# Altium PCB 铁壳显示板.PCBDOC
Units mil, origin at the board's own origin, x right, y up, seen from the top; angles counter-clockwise.
Board outline 6158.09 x 4297.44 mil, 2 copper layers (TopLayer, BottomLayer); 32 components, 135 nets, 148 pads, 348 vias.
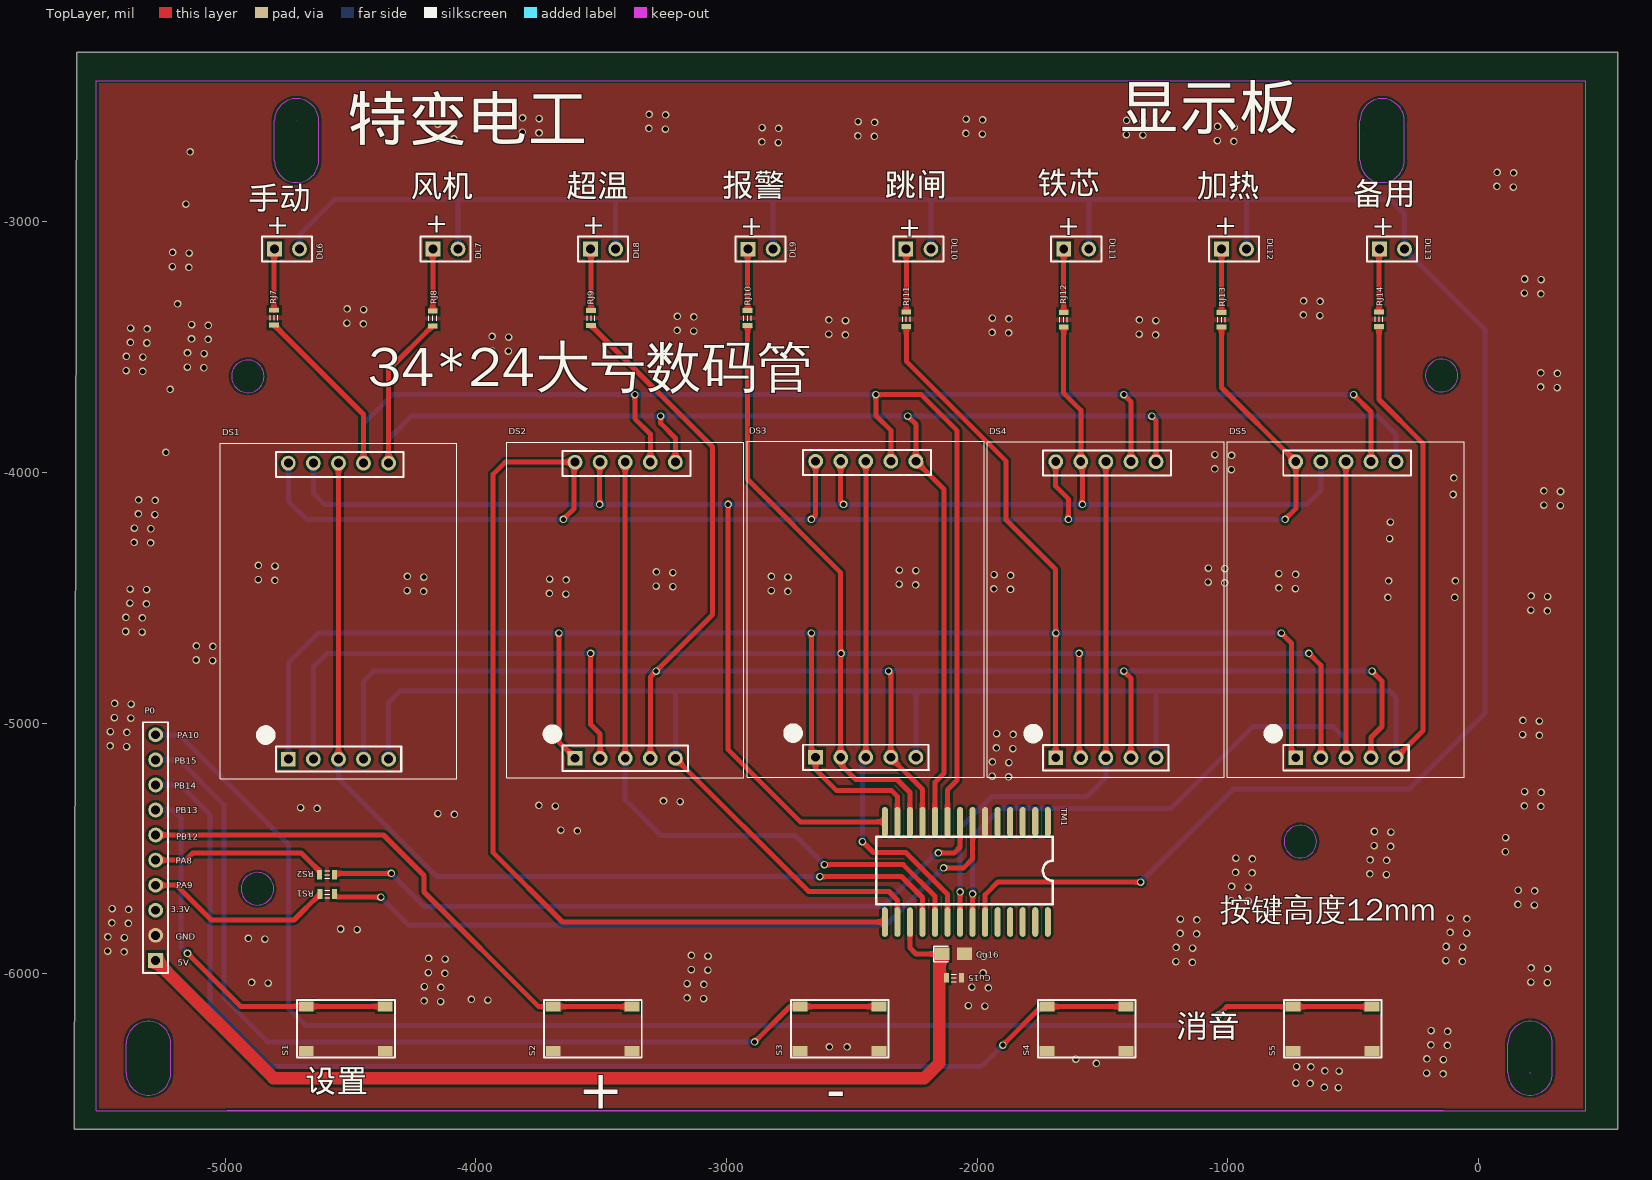
[diagram p0: TopLayer view]
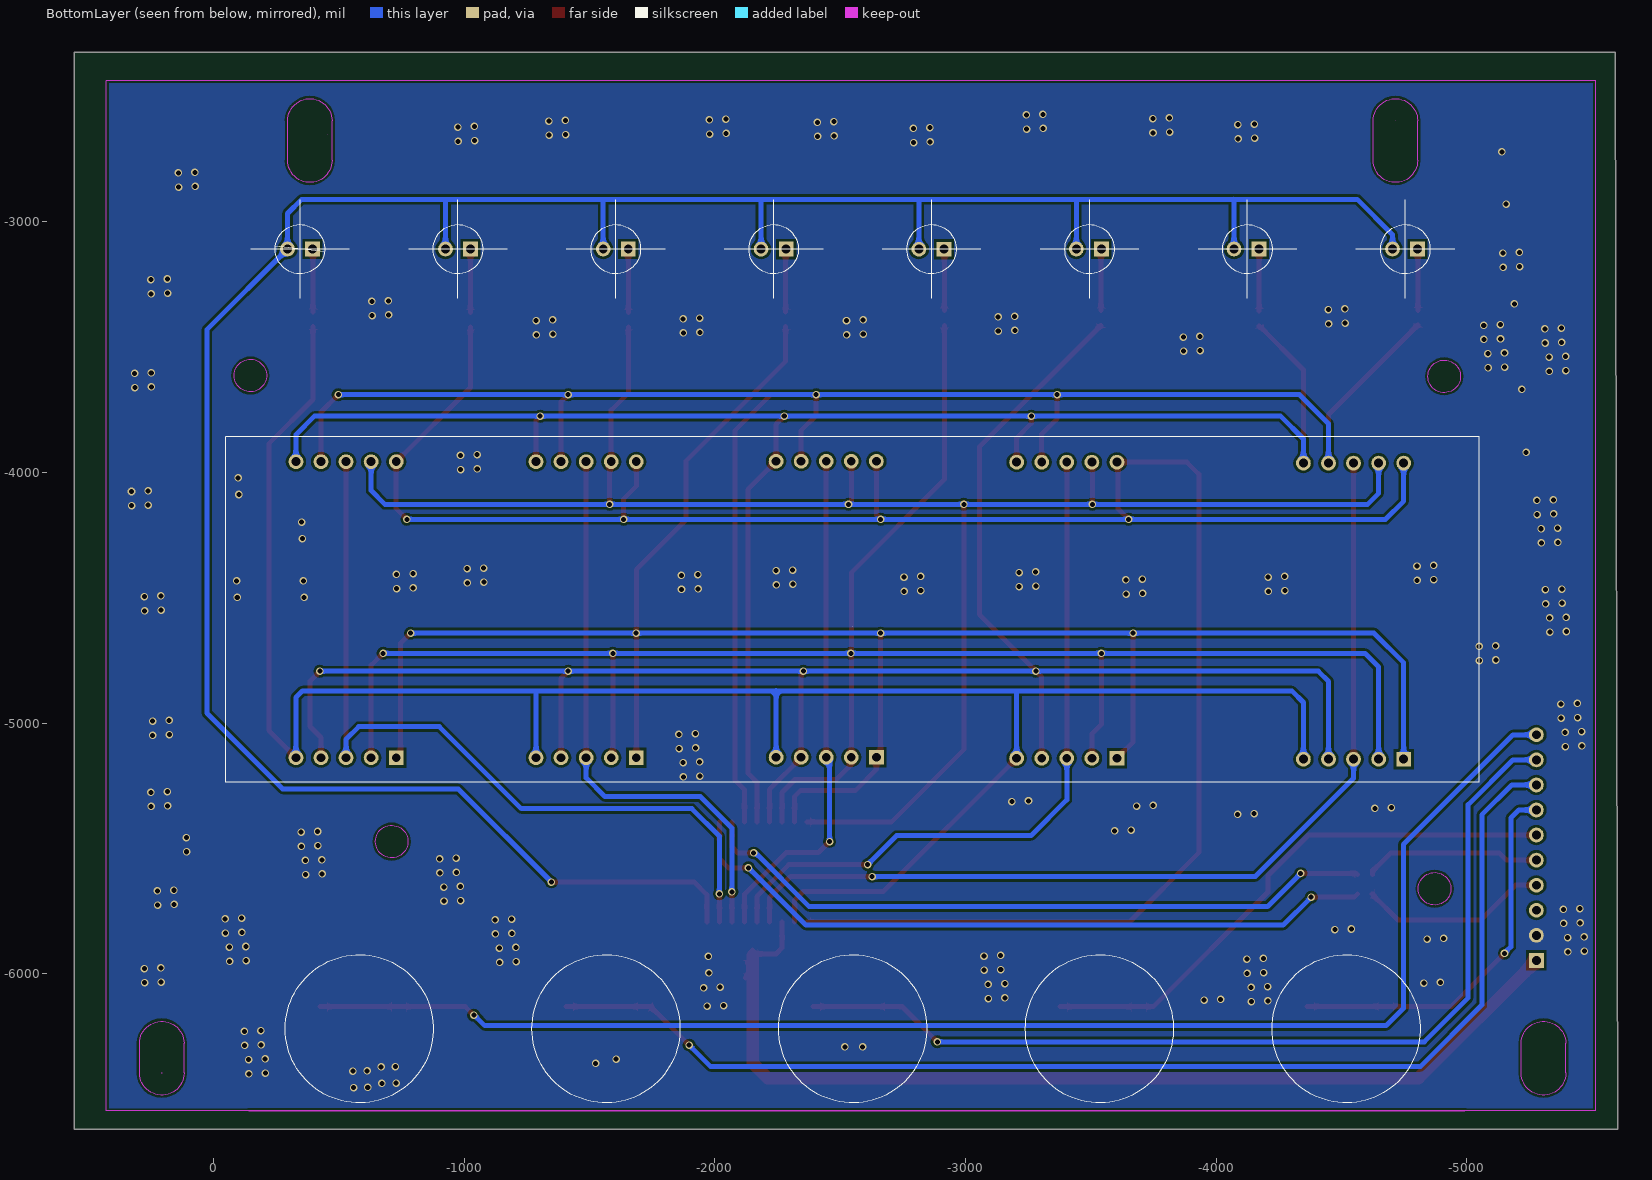
[diagram p1: BottomLayer view, seen from below]

## Layer stack, top to bottom
TopSolder: solder mask 0.4, Solder Resist, Dk 3.5
TopLayer: signal copper 1.4
Dielectric1: core 12.6, FR-4, Dk 4.8
BottomLayer: signal copper 1.4
BottomSolder: solder mask 0.4, Solder Resist, Dk 3.5

## Board outline
-5593.06,-2322.81 555.58,-2322.81 555.58,-6620.25 -5602.5,-6620.25

## Design rules (kind name [scope] priority, off if disabled: settings)
Clearance [All] p1: gap=10 ignorepadtopadclearanceinfootprint=FALSE except(0: Arc-Hole Track-Hole SMDPad-Hole THPad-Hole Via-Hole Fill-Hole Poly-Hole Region-Hole Text-Hole)
ComponentClearance [All] p1 off: gap=10 collisioncheckmode=3 verticalgap=10 showdistances=FALSE
FabricationTestPointUsage TestPointUsage [All] p1: valid=0 allowmultiple=FALSE
FabricationTestpoint Testpoint [(IsPad And (OnTopLayer Or OnBottomLayer))] p1: side=3 testpointundercomponent=TRUE minsize=40 maxsize=100 preferedsize=60 minholesize=20 maxholesize=40 preferedholesize=32 testpointgrid=1 allowsidetop=TRUE allowsidebottom=TRUE usegrid=TRUE gridtolerance=0.01
FanoutControl Fanout_LCC [All] p1 off: bgadir=Out bgaviamode=Centered fanoutstyle=Auto fanoutdirection=Alternating viagrid=1 // Protel DXP Scope 1 Expression Was: IsLCC   Fanout_LCC (Default Rule)
FanoutControl Fanout_BGA [All] p2 off: bgadir=Out bgaviamode=Centered fanoutstyle=Auto fanoutdirection=Alternating viagrid=1 // Protel DXP Scope 1 Expression Was: IsBGA   Fanout_BGA (Default Rule)
FanoutControl Fanout_SOIC [All] p3 off: bgadir=Out bgaviamode=Centered fanoutstyle=Auto fanoutdirection=Alternating viagrid=1 // Protel DXP Scope 1 Expression Was: IsSOIC   Fanout_SOIC (Default Rule)
FanoutControl Fanout_Default [All] p4: bgadir=Out bgaviamode=Centered fanoutstyle=Auto fanoutdirection=Alternating viagrid=1 // Fanout_Default (Default Rule)
FanoutControl Fanout_Small [All] p5 off: bgadir=Out bgaviamode=Centered fanoutstyle=Auto fanoutdirection=Alternating viagrid=1 // Protel DXP Scope 1 Expression Was: (CompPinCount < 5)   Fanout_Small (Default Rule)
PolygonConnect [All] p1: connectstyle=Direct reliefconductorwidth=10 reliefentries=4 polygonreliefangle="90 Angle" airgapwidth=10
RoutingVias [All] p1: holewidth=28 width=50 viastyle="Through Hole" minholewidth=28 minwidth=50 maxholewidth=28 maxwidth=50
SolderMaskExpansion [All] p1: expansion=4
Width [All] p1: maxlimit=1111 minlimit=1 preferedwidth=20 minimp=50.000000 maximp=50.000000 favimp=50.000000
22 further rules are at their usual default settings.

## Components (designator, comment, footprint, x,y, rotation, side; value= is the part's Value field where it differs from the comment)
Cu15 "104" 0603-1 -2092.94,-6015.39 r180 top
Cu16 "106" 0805 -2140.87,-5920.36 r0 top
DL6 "RED" HDR1X2 -4803.4,-3108.15 r0 top
DL7 "RED" HDR1X2 -4171.32,-3108.18 r0 top
DL8 "RED" HDR1X2 -3542.27,-3108.17 r0 top
DL9 "RED" HDR1X2 -2914.19,-3108.76 r0 top
DL10 "RED" HDR1X2 -2284.74,-3108.4 r0 top
DL11 "RED" HDR1X2 -1654.89,-3108.18 r0 top
DL12 "RED" HDR1X2 -1025.63,-3108.33 r0 top
DL13 "RED" HDR1X2 -395.3,-3108.29 r0 top
DS1 "数码管1英寸10016A共阴" 1英寸1位数码管 -4748.18,-5143.29 r0 top
DS2 "数码管1英寸10016A共阴" 1英寸1位数码管 -3604.23,-5139.48 r0 top
DS3 "数码管1英寸10016A共阴" 1英寸1位数码管 -2644.59,-5135.69 r0 top
DS4 "数码管1英寸10016A共阴" 1英寸1位数码管 -1686.86,-5137.59 r0 top
DS5 "数码管1英寸10016A共阴" 1英寸1位数码管 -729.12,-5137.58 r0 top
P0 "Header 10" HDR1X10 -5277.61,-5945.98 r90 top
RJ7 "1K" 0603-1 -4804.94,-3381.93 r90 top
RJ8 "1K" 0603-1 -4171.99,-3385.2 r90 top
RJ9 "1K" 0603-1 -3540.67,-3383.56 r90 top
RJ10 "1K" 0603-1 -2915.87,-3383.56 r90 top
RJ11 "1K" 0603-1 -2282.92,-3388.46 r90 top
RJ12 "1K" 0603-1 -1654.86,-3390.09 r90 top
RJ13 "1K" 0603-1 -1025.17,-3390.09 r90 top
RJ14 "1K" 0603-1 -397.11,-3388.46 r90 top
RS1 "1K" 0603-1 -4593.02,-5681.58 r180 top
RS2 "1K" 0603-1 -4593.66,-5604.14 r180 top
S1 "SW-PB" "SW_2 - SMT" -4519.31,-6218.2 r180 top
S2 "SW-PB" "SW_2 - SMT" -3534.07,-6219.08 r180 top
S3 "SW-PB" "SW_2 - SMT" -2549.49,-6218.78 r180 top
S4 "SW-PB" "SW_2 - SMT" -1564.2,-6218.72 r180 top
S5 "SW-PB" "SW_2 - SMT" -582.37,-6219.07 r180 top
TM1 "TM1640" TM1640 -1718.49,-5392.91 r270 top

## Footprints (in the part's own frame and the unit in brackets; to place one, negate y for a bottom-side part, rotate by r counter-clockwise, add the part's x,y. Pads: shape width x height; smd on the part's side, far side on the other; paste and mask are expansions set on the pad)
1英寸1位数码管 [mm]
  rect 1.5x1.5 hole 0.9: 1(0,0)
  round 1.5 hole 0.9: 2(2.54,0) 3(5.08,0) 4(7.62,0) 5(10.16,0) 6(10.16,30) 7(7.62,30) 8(5.08,30) 9(2.54,30) 10(0,30)
  silkscreen extent -6.92,-2 17.08,32
0603-1 [mm] "1.6mm*0.8mm*0.8mm"
  rect 0.5x1 smd: 1(-0.75,0) 2(0.75,0)
  silkscreen extent -0.25,-0.38 0.25,0.38
0805 [mil]
  rect 60x50 smd: 1(0,0) 2(90,0)
  silkscreen extent -33,-31 25,30
HDR1X2 [mm]
  rect 1.5x1.5 hole 0.9: 1(0,0)
  round 1.5 hole 0.9: 2(2.54,0)
  silkscreen extent -1.27,-1.27 3.81,1.27
HDR1X10 [mm]
  rect 1.5x1.5 hole 0.9: 1(0,0)
  round 1.5 hole 0.9: 2(2.54,0) 3(5.08,0) 4(7.62,0) 5(10.16,0) 6(12.7,0) 7(15.24,0) 8(17.78,0) 9(20.32,0) 10(22.86,0)
  silkscreen extent -1.27,-1.27 24.13,1.27
"SW_2 - SMT" [mm]
  rect 1.5x1 smd: 1(-4,2.25) 1(4,2.25) 2(-4,-2.25) 2(4,-2.25)
  silkscreen extent -4.97,-2.92 4.93,2.92
TM1640 [mil]
  oval 118.11x24 smd: 1(0,0) 2(0,-50) 3(0,-100) 4(0,-150) 5(0,-200) 6(0,-250) 7(0,-300) 8(0,-350) 9(0,-400) 10(0,-450) 11(0,-500) 12(0,-550) 13(0,-600) 14(0,-650) 15(400,-650) 16(400,-600) 17(400,-550) 18(400,-500) 19(400,-450) 20(400,-400) 21(400,-350) 22(400,-300) 23(400,-250) 24(400,-200) 25(400,-150) 26(400,-100) 27(400,-50) 28(400,0)
  silkscreen extent 60,-685 330,20

## Part data
Cu15 Cu16: library part Cap, "Capacitor"
DL6 DL7 DL8 DL9 DL10 DL11 DL12 DL13: library part LED1, "Typical RED GaAs LED"
DS1 DS2 DS3 DS4 DS5: library part 数码管1英寸
P0: "Header, 10-Pin"
RJ7 RJ8 RJ9 RJ10 RJ11 RJ12 RJ13 RJ14: library part RES2
RS1 RS2: library part Res2, "Resistor"
S1 S2 S3 S4 S5: "Switch"

## Via types
v1: diameter 30, hole 20, TopLayer to BottomLayer, 348 vias

## Nets (pads, with @x,y where several pads share a name; then routed paths per layer and width w, separated by ;. In a path a pad name is that pad's centre, name@x,y a point inside that pad or via, vN(x,y) a via of type N, cw(c..) or ccw(c..) an arc to the next point about the centre after c; other vN are vias at no path point)
220VLIN: 
220VLOUT1: 
220VLOUT2: 
485-RE: 
+5V: 
+12out: 
A1: 
ADC_IN0: 
ADC_IN4: 
ADC_IN5: 
ADC_IN6: 
ADC_IN7: 
ADC_IN8: 
B1: 
BJIN1: 
BJOUT1: 
BOOT0: 
DS_A: DS1.7 DS2.7 DS3.7 DS4.7 DS5.7 RJ7.1 TM1.9 | length 7973.9
  TopLayer w20: RJ7.1 -4448.18,-3768.23 DS1.7 ; v1(-3365.58,-3689.06) -3365.58,-3784.76 -3304.23,-3846.11 DS2.7 ; DS3.7 -2344.59,-3831.46 -2404.19,-3771.86 v1(-2404.19,-3689.06) -2223.84,-3689.06 -2079.68,-3833.22 -2079.68,-5226.5 -2118.49,-5265.3 TM1.9 ; v1(-1415.22,-3689.06) -1386.86,-3717.43 DS4.7 ; v1(-498.44,-3689.06) -429.12,-3758.39 DS5.7
  BottomLayer w20: DS1.7 -4448.18,-3804.68 -4332.57,-3689.06 v1(-498.44,-3689.06)
DS_B: DS1.6 DS2.6 DS3.6 DS4.6 DS5.6 RJ8.1 TM1.10 | length 6999.8
  TopLayer w20: DS1.6 -4348.18,-3590.91 RJ8.1 ; v1(-3262.56,-3775.16) -3262.56,-3803.34 -3204.23,-3861.67 DS2.6 ; v1(-2277.13,-3775.16) -2244.59,-3807.7 DS3.6 -2132.39,-4066.79 -2132.39,-5199.1 -2168.49,-5235.2 TM1.10 ; v1(-1303.23,-3775.16) -1286.86,-3791.53 DS4.6
  BottomLayer w20: DS1.6 -4348.18,-3865.82 -4257.52,-3775.16 -402.74,-3775.16 -329.12,-3848.78 DS5.6
DS_C: DS1.4 DS2.4 DS3.4 DS4.4 DS5.4 RJ9.1 TM1.11 | length 7763.9
  TopLayer w20: RJ9.1 -3055.5,-3898.26 -3055.5,-4566.34 -3304.23,-4815.07 DS2.4@-3304.23,-5129.56 ; v1(-2353.03,-4792.43) -2344.59,-4800.88 -2344.59,-5137.53 -2218.49,-5263.64 TM1.11 ; v1(-1415.21,-4792.43) -1386.86,-4820.78 DS4.4 ; DS5.4 -429.12,-5056.48 -385.3,-5012.67 -385.3,-4831.88 v1(-424.75,-4792.43)
  BottomLayer w20: DS1.4 -4448.18,-4832.65 -4407.96,-4792.43 v1(-424.75,-4792.43)
  other v1: -3281.02,-4792.43
DS_D: DS1.2 DS2.2 DS3.2 DS4.2 DS5.2 RJ10.1 TM1.12 | length 7996.5
  TopLayer w20: v1(-3542.16,-4720.95) -3542.16,-5004.69 -3504.23,-5042.61 DS2.2 ; RJ10.1 -2915.87,-4027.8 -2544.59,-4399.08 -2544.59,-5164.8 -2484.74,-5224.64 -2319.7,-5224.64 -2268.49,-5275.86 TM1.12 ; v1(-1593.51,-4720.95) -1593.51,-5130.94 DS4.2 ; v1(-676.74,-4720.95) -629.12,-4768.57 DS5.2
  BottomLayer w20: DS1.2 -4648.18,-4775.43 -4593.7,-4720.95 v1(-676.74,-4720.95)
  other v1: -2542.56,-4720.95
DS_DP: DS1.5 DS2.5 DS3.5 DS4.5 DS5.5 RJ14.1 TM1.16 | length 8362.9
  TopLayer w20: DS2.5 -2672.28,-5671.43 -2352.01,-5671.43 -2318.49,-5704.96 TM1.16 ; RJ14.1 -397.11,-3708.64 -220.76,-3885 -220.76,-5029.22 DS5.5
  BottomLayer w20: DS1.5 -4348.18,-4916.9 -4301.68,-4870.4 -355.37,-4870.4 -329.12,-4896.66 DS5.5 ; DS2.5 -3204.23,-4872.49 ; DS3.5 -2244.59,-4868.7 ; DS4.5 -1286.86,-4870.6
DS_E: DS1.1 DS2.1 DS3.1 DS4.1 DS5.1 RJ11.1 TM1.13 | length 8432
  TopLayer w20: v1(-3668.51,-4640.34) -3668.51,-5075.2 DS2.1 ; v1(-2661.89,-4640.34) -2661.89,-5118.38 DS3.1 -2644.59,-5184.7 -2561.97,-5267.33 -2342.81,-5267.33 -2318.49,-5291.65 TM1.13 ; RJ11.1 -2282.92,-3556.14 -1885.98,-3953.08 -1885.98,-4187.38 -1686.86,-4386.5 DS4.1 ; v1(-786.24,-4640.34) -746.81,-4679.77 -746.81,-5119.89 DS5.1
  BottomLayer w20: DS1.1 -4748.18,-4758.51 -4630.01,-4640.34 v1(-786.24,-4640.34)
  other v1: -1686.16,-4640.34
DS_F: DS1.9 DS2.9 DS3.9 DS4.9 DS5.9 RJ12.1 TM1.14 | length 7109.5
  TopLayer w20: v1(-3505.85,-4126.55) -3505.85,-3960 DS2.9 ; v1@-2993.48,-4118.67 -2993.48,-5105.24 -2705.8,-5392.91 TM1.14 ; DS3.9 -2544.59,-4115.36 v1(-2533.41,-4126.55) ; RJ12.1 -1654.86,-3682.89 -1586.86,-3750.89 DS4.9 -1580.92,-3962.42 v1(-1580.92,-4126.55)
  BottomLayer w20: DS1.9 -4648.18,-4082.83 -4604.47,-4126.55 -683.88,-4126.55 -629.12,-4071.79 DS5.9
  other v1: -2993.48,-4126.72
DS_G: DS1.10 DS2.10 DS3.10 DS4.10 DS5.10 RJ13.1 TM1.15 | length 9336.4
  TopLayer w20: v1(-3650.88,-4186.48) -3608.63,-4144.23 -3608.63,-3962.77 DS2.10 -3883.07,-3958.38 -3931.14,-4006.45 -3931.14,-5515.98 -3654.2,-5792.91 TM1.15 ; v1(-2661.65,-4186.48) -2644.59,-4169.42 DS3.10 ; DS4.10 -1686.86,-4054.4 -1636.59,-4104.66 v1(-1636.59,-4186.48) ; RJ13.1 -1025.17,-3660.42 DS5.10 -729.12,-4143.67 v1(-771.93,-4186.48)
  BottomLayer w20: DS1.10 -4748.18,-4114.26 -4675.97,-4186.48 v1(-771.93,-4186.48)
DSLED1: TM1.5
DSLED2: TM1.4
DSLED3: TM1.3
DSLED4: TM1.2
DSLED5: TM1.1
DSLED6: TM1.28
GND: Cu15.1 Cu16.2 P0.2 S1.1 S2.1 S3.1 S4.1 S5.1 TM1.6
  other v1: -559.01,-6453.37 -615.6,-6452.5 -671.87,-6436.49 -728.46,-6435.62 -141.38,-6398.22 -207.31,-6395.55 -556.34,-6387.45 -612.93,-6386.58 -669.2,-6370.57 -725.79,-6369.7 -1524.81,-6356.83 -140.51,-6341.63 -1606.58,-6339.63 -206.44,-6338.96 -2590.16,-6290.86 -2519.16,-6290.86 -124.51,-6285.36 -190.43,-6282.69 -123.64,-6228.77 -189.56,-6226.1 -1969.34,-6128.69 -2035.26,-6126.02 -4140.38,-6110.14 -4206.3,-6107.47 -3951.93,-6104.19 -4017.85,-6101.52 -3091.76,-6098.09 -3157.68,-6095.42 -1955.73,-6055.21 -4139.51,-6053.56 -2021.65,-6052.54 -4205.43,-6050.89 -3090.89,-6041.5 -3156.81,-6038.83 -4828.55,-6036.29 274.41,-6035.06 -4894.47,-6033.61 208.49,-6032.39 -4123.51,-5997.28 -1976.7,-5995.99 -4189.43,-5994.61 -3074.88,-5985.23 -3140.81,-5982.56 275.28,-5978.48 209.36,-5975.8 -1141.56,-5953.45 -1207.49,-5950.78 -64.51,-5949.81 -130.43,-5947.14 -4122.64,-5940.7 -4188.56,-5938.02 -1974.03,-5930.07 -3074.01,-5928.64 -3139.94,-5925.97 -5402.91,-5911.6 -5468.83,-5908.92 -1140.69,-5896.87 -1206.62,-5894.2 -63.64,-5893.22 -129.56,-5890.55 -4841.7,-5860.97 -4907.62,-5858.3 -5402.04,-5855.01 -5467.96,-5852.34 -1124.69,-5840.59 -1190.61,-5837.92 -47.64,-5836.95 -113.56,-5834.28 -4473.62,-5823.42 -4539.55,-5820.75 -5386.04,-5798.73 -5451.96,-5796.06 -1123.82,-5784.01 -1189.74,-5781.34 -46.77,-5780.36 -112.69,-5777.69 -5385.17,-5742.15 -5451.09,-5739.48 222.81,-5725.41 156.88,-5722.74 -919.79,-5709.98 -985.71,-5707.31 223.67,-5668.83 157.75,-5666.16 -918.92,-5653.39 -984.84,-5650.72 -367.72,-5603.89 -433.65,-5601.22 -902.91,-5597.12 -968.83,-5594.45 -366.85,-5547.31 -432.78,-5544.64 -902.04,-5540.53 -967.96,-5537.86 106.69,-5512.53 -350.85,-5491.03 -416.77,-5488.36 107.56,-5455.94 -349.98,-5434.45 -415.9,-5431.77 -3594.75,-5429.25 -3660.67,-5426.58 -4085.64,-5363.5 -4151.56,-5360.83 -4633.51,-5339.4 -4699.43,-5336.72 248.61,-5331.9 -3682.41,-5330.63 182.69,-5329.23 -3748.33,-5327.96 -3185.54,-5312.5 -3251.46,-5309.83 249.48,-5275.32 183.56,-5272.64 -1874.48,-5213.66 -1940.41,-5210.99 -1873.61,-5157.08 -1939.54,-5154.4 -1857.61,-5100.8 -1923.53,-5098.13 -5392.95,-5092.78 -5458.87,-5090.11 242.16,-5048.06 176.24,-5045.39 -1856.74,-5044.21 -1922.66,-5041.54 -5392.08,-5036.19 -5458,-5033.52 243.03,-4991.47 177.11,-4988.8 -5376.07,-4979.92 -5442,-4977.25 -5375.2,-4923.33 -5441.13,-4920.66 -5049.83,-4750.27 -5115.76,-4747.6 -5048.96,-4693.69 -5114.89,-4691.01 -5331.19,-4636.55 -5397.11,-4633.88 -5330.32,-4579.97 -5396.24,-4577.3 274.41,-4551.33 208.49,-4548.66 -5314.31,-4523.69 -5380.24,-4521.02 -361.33,-4498.08 -95.02,-4498.08 275.28,-4494.74 209.36,-4492.07 -3640.6,-4484.45 -3706.52,-4481.78 -4208.66,-4473.52 -2755.74,-4473.52 -4274.59,-4470.85 -2821.66,-4470.85 -5313.44,-4467.11 -1867.23,-4466.24 -5379.37,-4464.44 -1933.15,-4463.57 -731.1,-4462.6 -797.03,-4459.93 -3214.56,-4455.32 -3280.48,-4452.65 -2245.94,-4448.03 -2311.86,-4445.36 -1013.22,-4439.99 -1079.14,-4437.32 -358.65,-4432.16 -92.35,-4432.16 -4802.22,-4429.83 -3639.73,-4427.86 -4868.14,-4427.15 -3705.65,-4425.19 -4207.8,-4416.94 -2754.87,-4416.94 -4273.72,-4414.27 -2820.79,-4414.27 -1866.36,-4409.65 -1932.28,-4406.98 -730.23,-4406.01 -796.16,-4403.34 -3213.69,-4398.73 -3279.61,-4396.06 -2245.07,-4391.45 -2310.99,-4388.78 -1012.34,-4383.4 -1078.27,-4380.73 -4801.35,-4373.24 -4867.27,-4370.57 -5297.12,-4280.58 -5363.05,-4277.91 -354.91,-4263.86 -5296.25,-4224 -5362.18,-4221.32 -352.24,-4197.94 -5280.25,-4167.72 -5346.17,-4165.05 326.02,-4132.01 260.1,-4129.34 -5279.38,-4111.13 -5345.3,-4108.46 -101.43,-4087.39 326.89,-4075.43 260.97,-4072.76 -98.76,-4021.47 -986.49,-3987.78 -1052.42,-3985.11 -985.62,-3931.2 -1051.55,-3928.53 -5236.79,-3918.95 -5219.38,-3667.74 313.12,-3661.09 247.2,-3658.42 313.99,-3604.5 248.07,-3601.83 -5328.89,-3595.88 -5394.81,-3593.21 -5085.36,-3581.76 -5151.28,-3579.09 -5328.02,-3539.29 -5393.94,-3536.62 -5084.49,-3525.18 -5150.41,-3522.5 -3870.01,-3515.83 -3935.93,-3513.16 -5312.01,-3483.02 -5377.93,-3480.35 -5068.48,-3468.9 -5134.41,-3466.23 -3869.14,-3459.24 -3935.06,-3456.57 -2526.33,-3450.28 -1288.24,-3450.28 -2592.25,-3447.61 -1354.16,-3447.61 -1874.51,-3443 -1940.43,-3440.33 -3130.8,-3435.72 -3196.72,-3433.05 -5311.14,-3426.43 -5377.06,-3423.76 -5067.61,-3412.31 -5133.54,-3409.64 -4449,-3406.58 -4514.92,-3403.91 -2525.46,-3393.7 -1287.37,-3393.7 -2591.38,-3391.03 -1353.29,-3391.03 -1873.64,-3386.41 -1939.56,-3383.74 -3129.93,-3379.13 -3195.85,-3376.46 -632.78,-3373.81 -698.71,-3371.14 -4448.13,-3350 -4514.05,-3347.33 -5189.53,-3327.01 -631.92,-3317.23 -697.84,-3314.56 248.61,-3286.93 182.69,-3284.26 249.48,-3230.35 183.56,-3227.68 -5144.81,-3181.09 -5210.73,-3178.42 -5143.94,-3124.5 -5209.86,-3121.83 -5157.2,-2929.06 138.94,-2861.16 73.02,-2858.49 139.81,-2804.58 73.89,-2801.91 -5139.79,-2720.14 -2793.38,-2683.24 -2859.3,-2680.57 -975.85,-2678.4 -1041.77,-2675.72 -4087.46,-2668.7 -4153.38,-2666.03 -2410.49,-2659.01 -2476.41,-2656.34 -1339.36,-2654.16 -1405.28,-2651.49 -1979.13,-2649.31 -2045.05,-2646.64 -3748.18,-2644.47 -3814.11,-2641.8 -3244.12,-2629.93 -3310.05,-2627.26 -2792.51,-2626.66 -2858.43,-2623.99 -974.98,-2621.81 -1040.9,-2619.14 -4086.59,-2612.12 -4152.51,-2609.45 -2409.62,-2602.42 -2475.54,-2599.75 -1338.49,-2597.58 -1404.41,-2594.9 -1978.26,-2592.73 -2044.18,-2590.06 -3747.31,-2587.88 -3813.24,-2585.21 -3243.25,-2573.34 -3309.18,-2570.67
GOIN: 
GOOUT: 
KMIN1: 
KMIN2: 
KMOUT1: 
KMOUT2: 
L: 
LIN: 
N: 
NetC1_2: 
NetC2_2: 
NetC3_2: 
NetCU7_1: 
NetCU8_1: 
NetCY1_2: 
NetCY2_2: 
NetCY3_2: 
NetDE1_1: 
NetDE1_2: 
NetDJ1_1: 
NetDJ2_1: 
NetDJ3_1: 
NetDJ4_1: 
NetDL1_1: 
NetDL2_1: 
NetDL3_1: 
NetDL4_1: 
NetDL5_1: 
NetDL5_2: 
NetDL6_1: DL6.1 RJ7.2 | length 245.8
  TopLayer w20: RJ7.2 DL6.1@-4804.94,-3108.13 ; DL6.1@-4804.92,-3108.15 DL6.1
NetDL7_1: DL7.1 RJ8.2 | length 247.8
  TopLayer w20: RJ8.2 -4171.99,-3108.85 DL7.1
NetDL8_1: DL8.1 RJ9.2 | length 246.5
  TopLayer w20: DL8.1 -3540.67,-3109.77 RJ9.2
NetDL9_1: DL9.1 RJ10.2 | length 246
  TopLayer w20: RJ10.2 -2915.87,-3110.45 DL9.1
NetDL10_1: DL10.1 RJ11.2 | length 251.3
  TopLayer w20: DL10.1 -2282.92,-3110.21 RJ11.2
NetDL11_1: DL11.1 RJ12.2 | length 252.4
  TopLayer w20: RJ12.2 DL11.1
NetDL12_1: DL12.1 RJ13.2 | length 265.1
  TopLayer w20: RJ13.2 -1025.17,-3104.16 DL12.1@-1019.05,-3098.04
NetDL13_1: DL13.1 RJ14.2 | length 251.4
  TopLayer w20: RJ14.2 -397.11,-3110.1 DL13.1
NetLS1_1: 
NetQK1_2: 
NetQK2_2: 
NetQK3_2: 
NetQK4_2: 
NetQK5_2: 
NetRA1_1: 
NetRA1_2: 
NetRA2_1: 
NetRA2_2: 
NetRA3_1: 
NetRA3_2: 
NetRE1_2: 
NetRE2_2: 
NetRE3_2: 
NetRN1_1: 
NetRN2_1: 
NetRN3_1: 
NetRS1_1: RS1.1 TM1.7 | length 2854.1
  TopLayer w20: RS1.1 -4551.6,-5693.47 v1(-4379.35,-5693.47) ; v1(-2134.45,-5576.63) -2054.19,-5576.63 -2018.49,-5540.93 TM1.7
  BottomLayer w20: v1(-4379.35,-5693.47) -4267.12,-5805.7 -2363.52,-5805.7 v1(-2134.45,-5576.63)
NetRS2_1: RS2.1 TM1.8 | length 2751.9
  TopLayer w20: RS2.1 -4559,-5599.01 v1(-4337.48,-5599.01) ; v1(-2154.73,-5517.49) -2092.21,-5517.49 -2068.49,-5493.76 TM1.8
  BottomLayer w20: v1(-4337.48,-5599.01) -4205.09,-5731.4 -2376.8,-5731.4 -2162.89,-5517.49 v1(-2154.73,-5517.49)
NRST: 
PA8: P0.5 RS2.2 | length 709.4
  TopLayer w20: P0.5 -5158.07,-5545.98 -5129.85,-5517.77 -4696.7,-5517.77 -4623.19,-5591.28 RS2.2
PA9: P0.4 RS1.2 | length 755
  TopLayer w20: P0.4 -5193.97,-5645.98 -5055.48,-5784.48 -4725.45,-5784.48 RS1.2
PA10: P0.10 S5.2 | length 5747.7
  TopLayer w20: v1(-1038.58,-6164.44) -1004.64,-6130.49 -739.85,-6130.49 S5.2@-424.89,-6130.49
  BottomLayer w20: P0.10 -5184.28,-5045.98 -4747.19,-5483.07 -4747.19,-6136.91 -4677.8,-6206.3 -1082.74,-6206.3 -1040.88,-6164.44 v1(-1038.58,-6164.44)
PA11: 
PA12: 
PA13: 
PA14: 
PA15: 
PB1: 
PB2: 
PB3: 
PB4: 
PB5: 
PB8: 
PB9: 
PB12: P0.6 S2.2 | length 2222.8
  TopLayer w20: P0.6 -4368.58,-5445.98 -4206.99,-5607.58 -4206.99,-5672.89 -3749.39,-6130.49 -3691.55,-6130.49 S2.2@-3376.59,-6130.49
PB13: P0.7 S1.2 | length 1540.2
  TopLayer w20: v1(-5150.36,-5917.71) -4938.46,-6129.62 -4676.79,-6129.62 S1.2@-4361.83,-6129.62
  BottomLayer w20: P0.7 -5207.46,-5345.98 -5175.83,-5377.61 -5175.83,-5891.97 v1@-5151.34,-5916.46
PB14: P0.8 S4.2 | length 4880.1
  TopLayer w20: v1(-1897.83,-6283.86) -1744.1,-6130.14 -1721.68,-6130.14 S4.2@-1406.72,-6130.14
  BottomLayer w20: P0.8 -5179.55,-5245.98 -5060.17,-5365.37 -5060.17,-6124.1 -4814.48,-6369.79 -1983.75,-6369.79 v1(-1897.83,-6283.86)
PB15: P0.9 S3.2 | length 3861.2
  TopLayer w20: v1(-2887.62,-6270.66) -2747.16,-6130.2 -2706.97,-6130.2 S3.2@-2392.01,-6130.2
  BottomLayer w20: P0.9 -5184.3,-5145.98 -5005.61,-5324.68 -5005.61,-6095.54 -4830.48,-6270.66 v1(-2887.62,-6270.66)
PC13: 
PC14: 
PC15: 
PF6: 
PF7: 
PT100-2: 
PT100-3: 
PT100-4: 
TZIN1: 
TZIN2: 
TZOUT1: 
TZOUT2: 
USART1_RX: 
USART1_TX: 
USART2_RX: 
USART2_TX: 
USART3_RX: 
USART3_TX: 
VCC3.3: P0.3
VCC5V: Cu15.2 Cu16.1 P0.1 TM1.17 | length 4077.7
  TopLayer w20: TM1.17 -2268.49,-5895.76 -2243.88,-5920.36 Cu16.1 ; -2151.12,-5986.74 Cu15.2 ; Cu16.1@-2151.12,-5925.99 Cu16.1@-2151.12,-5905.48
  TopLayer w50: P0.1 -4807.74,-6415.85 -2210.79,-6415.85 -2151.12,-6356.18 Cu16.1@-2151.12,-5925.99
串1: DS1.3 DS1.8 TM1.18 | length 3881.7
  TopLayer w20: DS1.3 DS1.8 ; v1(-2627.27,-5611.58) -2302.16,-5611.58 -2218.49,-5695.25 TM1.18
  BottomLayer w20: DS1.3 -4548.18,-5219.45 -4156.06,-5611.58 v1(-2627.27,-5611.58)
串2: DS2.3 DS2.8 TM1.19 | length 2844.7
  TopLayer w20: DS2.3 DS2.8 ; v1(-2609.41,-5563.94) -2294.93,-5563.94 -2168.49,-5690.39 TM1.19
  BottomLayer w20: DS2.3 -3404.23,-5305.32 -3261.37,-5448.18 -2725.17,-5448.18 v1(-2609.41,-5563.94)
串3: DS3.3 DS3.8 TM1.20 | length 2065.6
  TopLayer w20: v1(-2457.85,-5471.93) -2414.01,-5515.77 -2284.79,-5515.77 -2118.49,-5682.08 TM1.20 ; DS3.3 DS3.8
  BottomLayer w20: v1(-2457.85,-5471.93) -2457.85,-5139.6 -2453.94,-5135.69 DS3.3
串4: DS4.3 DS4.8 TM1.21 | length 2300.4
  TopLayer w20: TM1.21 v1(-2068.49,-5672.79) ; DS4.3 DS4.8
  BottomLayer w20: v1(-2068.49,-5672.79) -2068.49,-5418.4 -1942.18,-5292.09 -1561.4,-5292.09 -1486.86,-5217.55 DS4.3
串5: DS5.3 DS5.8 TM1.22 | length 3288.3
  TopLayer w20: TM1.22 v1(-2018.49,-5680.4) ; DS5.3 DS5.8
  BottomLayer w20: v1(-2018.49,-5680.4) -2018.49,-5450.67 -1908.42,-5340.61 -1228.08,-5340.61 -901.1,-5013.62 -579.38,-5013.62 -529.12,-5063.89 DS5.3
串6: DL6.2 DL7.2 DL8.2 DL9.2 DL10.2 DL11.2 DL12.2 DL13.2 TM1.23 | length 10254.9
  TopLayer w20: TM1.23 -1968.49,-5683.95 -1918.04,-5633.5 v1@-1345.72,-5633.5
  BottomLayer w20: DL6.2 -4703.85,-3107.71 -4703.85,-3050.75 -4562.71,-2909.62 -352.09,-2909.62 -295.3,-2966.42 DL13.2 26.42,-3430.01 26.42,-4959.31 -276.29,-5262.03 -977.03,-5262.03 v1(-1348.5,-5633.5) ; DL7.2 -4071.32,-2913.45 -4067.48,-2909.62 ; DL8.2 -3442.27,-2913.44 ; DL9.2 -2814.19,-2914.03 ; DL10.2 -2184.74,-2913.67 ; DL11.2 -1554.89,-2913.45 ; DL12.2 -925.63,-2913.6
pads on no net: TM1.24 TM1.25 TM1.26 TM1.27

## Polygon pours and split planes (outlines as drawn)
GND on TopLayer "TopLayer-GND" (solid, remove dead copper, pour order 0): -5554.65,-2349.12 -5511.4,-2392.37 481.19,-2392.37 481.19,-6599.55 475.01,-6605.73 444.12,-6574.84 -5579.37,-6574.84
GND on BottomLayer "BottomLayer-GND" (solid, remove dead copper, pour order 2): 542.9,-6687.67 -5598.98,-6687.67 -5598.98,-2358.86 505.26,-2358.86

## Keep-outs
KeepOutLayer:
  circle w0.25: c205.95,-6395.17 r0.12
  circle w0.25: c-453.98,-2651.73 r0.12
  circle w0.25: c-315.22,-2541.58 r0.12
  circle w0.25: c-4715.31,-2596.65 r0.12
  circle w0.5: c-4909.63,-3616 r64.96
  circle w0.5: c-147.51,-3612.82 r64.96
  circle w0.5: c-4871.48,-5660.09 r64.96
  circle w0.5: c-711.32,-5471.9 r64.96
  region: 428975.86,426770.95 428955.46,426796.65 429042.75,426845
  lines w0.5: -5513.68,-6546.24 427.02,-6546.24 427.02,-2436.55 ; 426.9,-6546.24 cw(c427.02,-6546.24) 427.15,-6546.24 ; 426.9,-6546.24 ccw(c427.02,-6546.24) 427.15,-6546.24 ; 426.9,-6546.24 cw(c427.02,-6546.24) 427.15,-6546.24 ; 426.9,-6546.24 ccw(c427.02,-6546.24) 427.15,-6546.24 ; 426.9,-6546.24 -5513.8,-6546.24 -5513.8,-2436.55 426.9,-2436.55 426.9,-6546.24 ; -5394.45,-6395.17 ccw(c-5305.86,-6395.17) -5217.28,-6395.17 -5217.28,-6277.06 ccw(c-5305.86,-6277.06) -5394.45,-6277.06 -5394.45,-6395.17 ; -4803.89,-2754.14 ccw(c-4715.31,-2754.14) -4626.73,-2754.14 -4626.73,-2596.65 ccw(c-4715.31,-2596.65) -4803.89,-2596.65 -4803.89,-2754.14 ; -473.19,-2754.14 ccw(c-384.6,-2754.14) -296.02,-2754.14 -296.02,-2596.65 ccw(c-384.6,-2596.65) -473.19,-2596.65 -473.19,-2754.14 ; 117.37,-6395.17 ccw(c205.95,-6395.17) 294.53,-6395.17 294.53,-6277.06 ccw(c205.95,-6277.06) 117.37,-6277.06 117.37,-6395.17
  lines w5: -4992.76,-6546.24 -141.63,-6546.24

## Silkscreen, mask and mechanical layers (free items; w line width, h text height)
TopOverlay:
  text "显示板" at -1433.38,-2685.38 h300
  text "特变电工" at -4510.29,-2730.87 h300
  text "铁芯" at -1760.26,-2921.65 h157.48
  text "跳闸" at -2368.29,-2927.2 h157.48
  text "报警" at -3016.51,-2929.12 h157.48
  text "超温" at -3639.68,-2931.06 h157.48
  text "加热" at -1123.59,-2932.13 h157.48
  text "风机" at -4258.98,-2932.99 h157.48
  text "备用" at -502.68,-2964.13 h157.48
  text "手动" at -4908.15,-2981.41 h157.48
  text "+" at -4201.93,-3043.42 h80
  text "+" at -4837.08,-3049.31 h80
  text "+" at -3576.21,-3049.31 h80
  text "+" at -1054.46,-3051.66 h80
  text "+" at -1681.37,-3052.85 h80
  text "+" at -2944.59,-3054.03 h80
  text "+" at -425.21,-3054.03 h80
  text "+" at -2315.35,-3059.91 h80
  text "34*24大号数码管" at -4432.29,-3709.16 h275.59
  text "PA10" at -5191.01,-5059.91 h25
  text "PB15" at -5200.45,-5161.62 h25
  text "PB14" at -5202.41,-5261.17 h25
  text "PB13" at -5197.24,-5359.32 h25
  text "PB12" at -5194.62,-5463.93 h25
  text "PA8" at -5196.37,-5560.69 h25
  text "PA9" at -5195.5,-5657.45 h25
  text "3.3V" at -5217.62,-5754.79 h25
  text "按键高度12mm" at -1029.89,-5820.68 h157.48
  text "GND" at -5197.24,-5863.18 h25
  text "5V" at -5189.39,-5966.91 h25
  text "消音" at -1204.46,-6285.31 h157.48
  text "设置" at -4680.91,-6503.88 h157.48
  text "+" at -3591.35,-6537.93 h157.48
  text "-" at -2601.33,-6538.59 h157.48
BottomOverlay:
  drawing of 162 lines, arcs and shapes, not listed